# Altium PCB KIPGRDMCU.PcbDoc (part 1 of 2)
Units mm, origin at the board's own origin, x right, y up, seen from the top; angles counter-clockwise.
Board outline 110 x 75 mm, 4 copper layers (Top Layer, Layer 2, Layer 3, Bottom Layer), stack 1.513 mm thick; 117 components, 77 nets, 394 pads, 190 vias.
Unrouted connection lines stored in the file: 1.
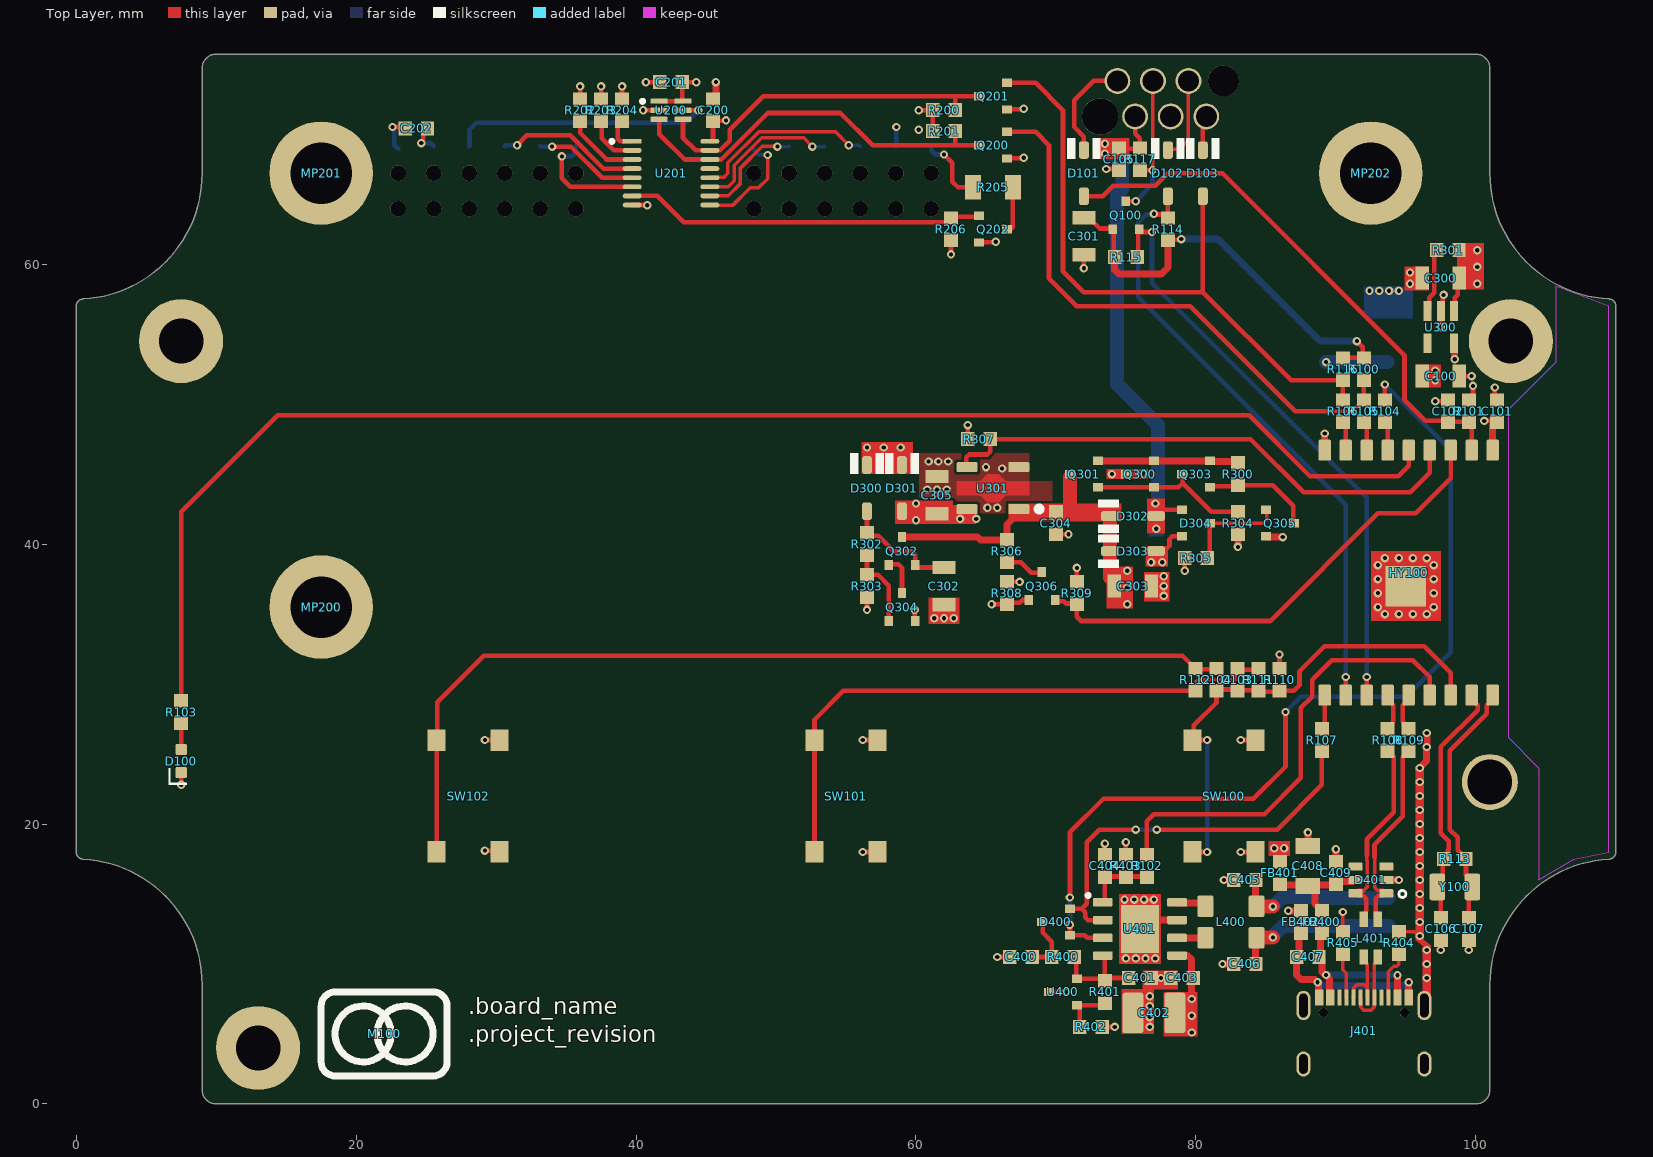
[diagram p0: Top Layer view]
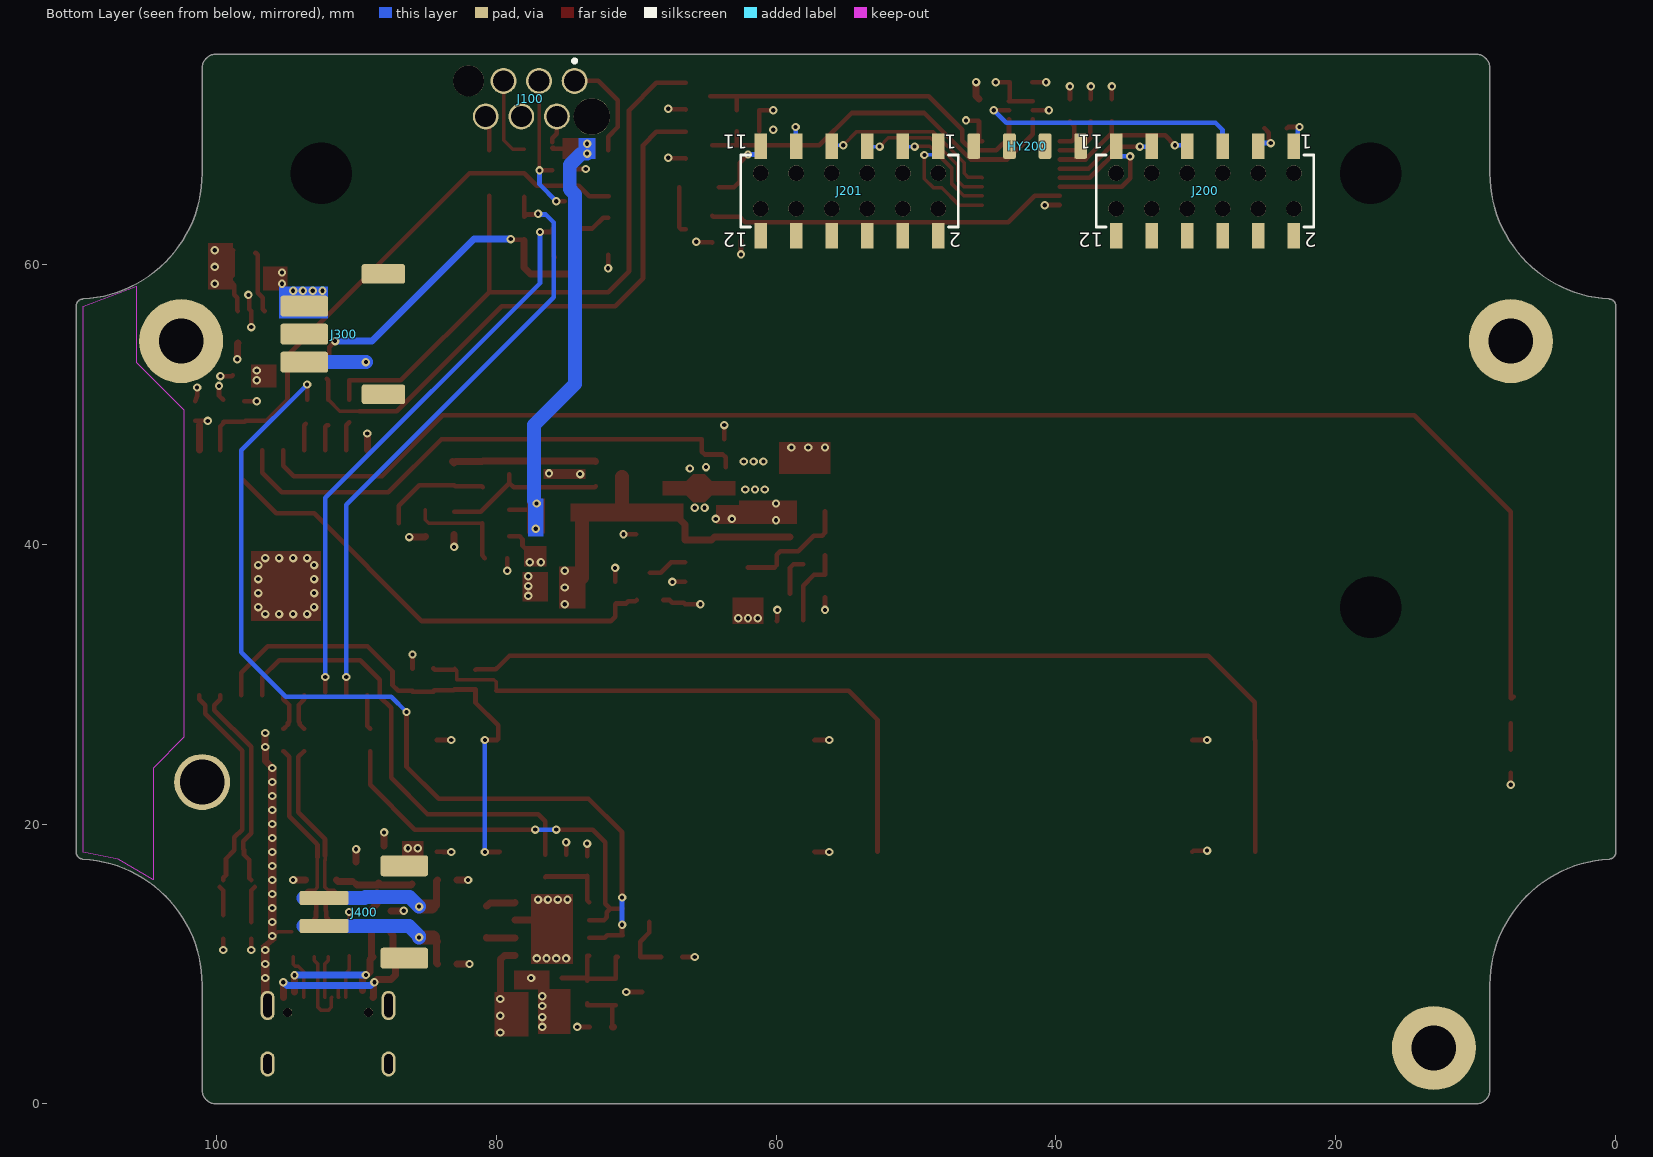
[diagram p1: Bottom Layer view, seen from below]
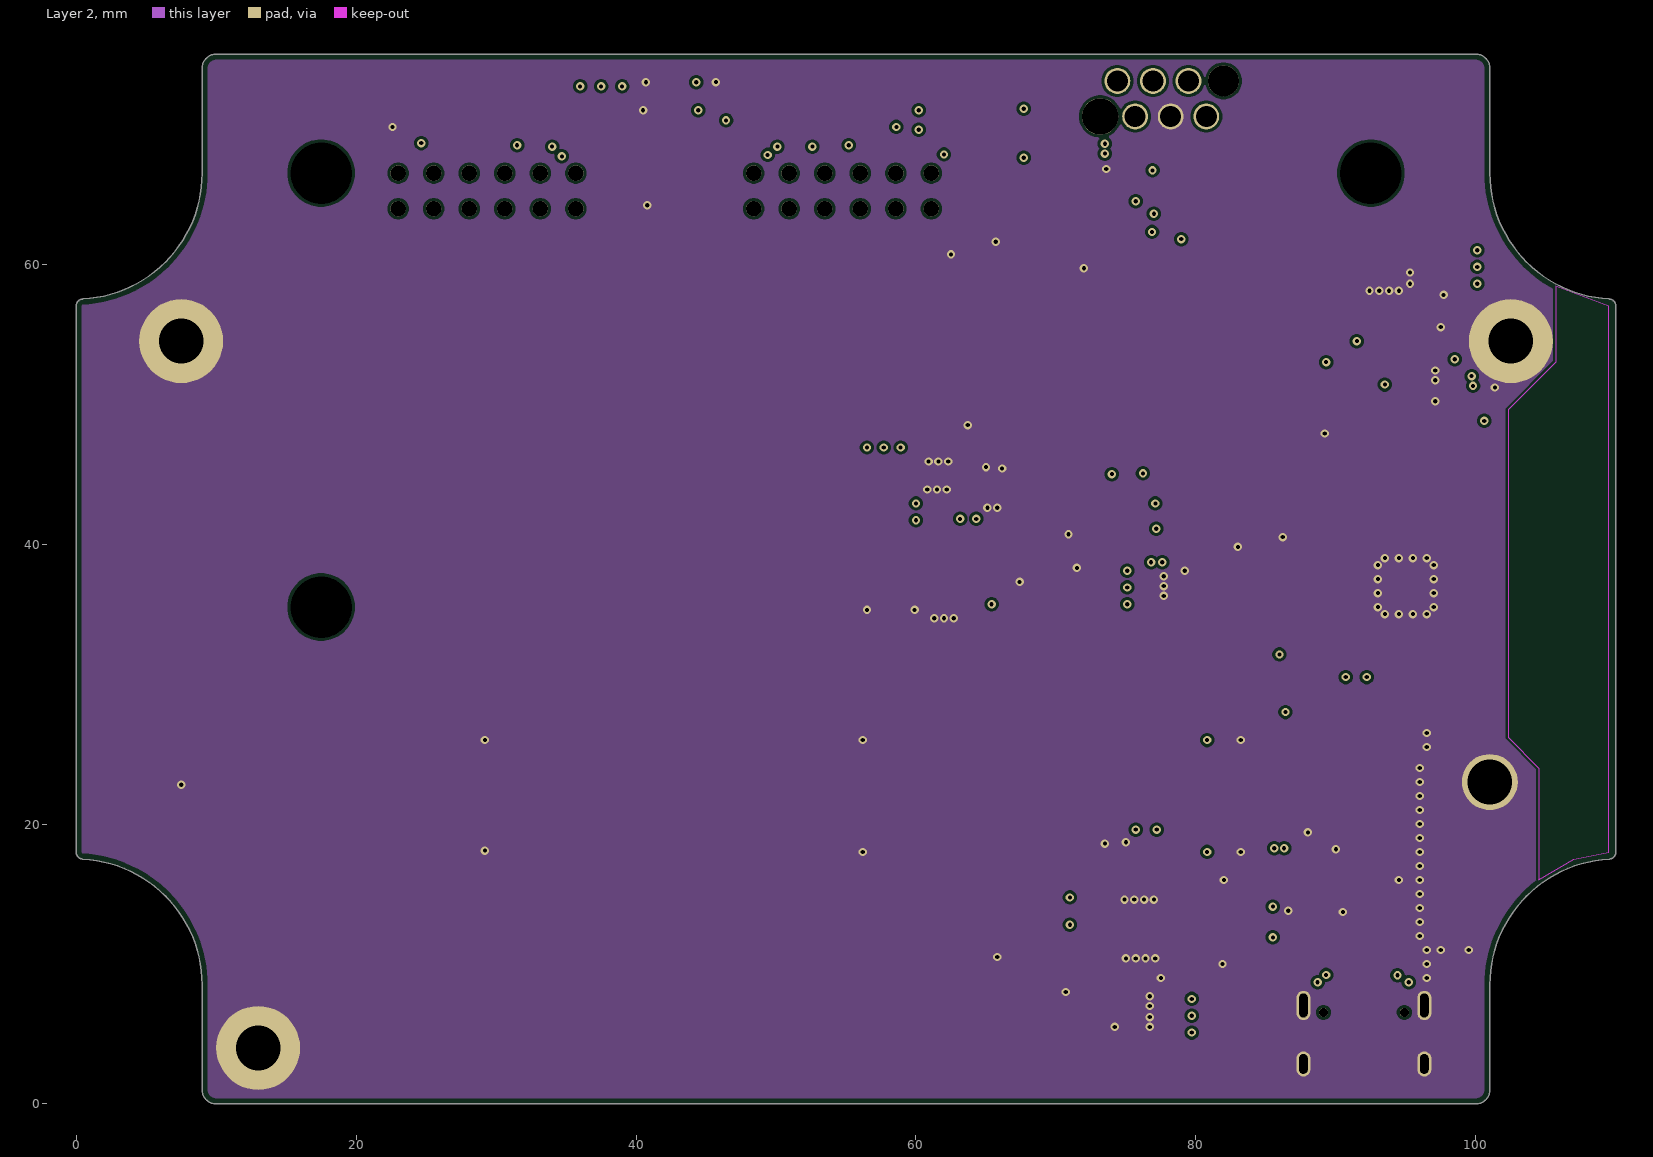
[diagram p2: Layer 2]
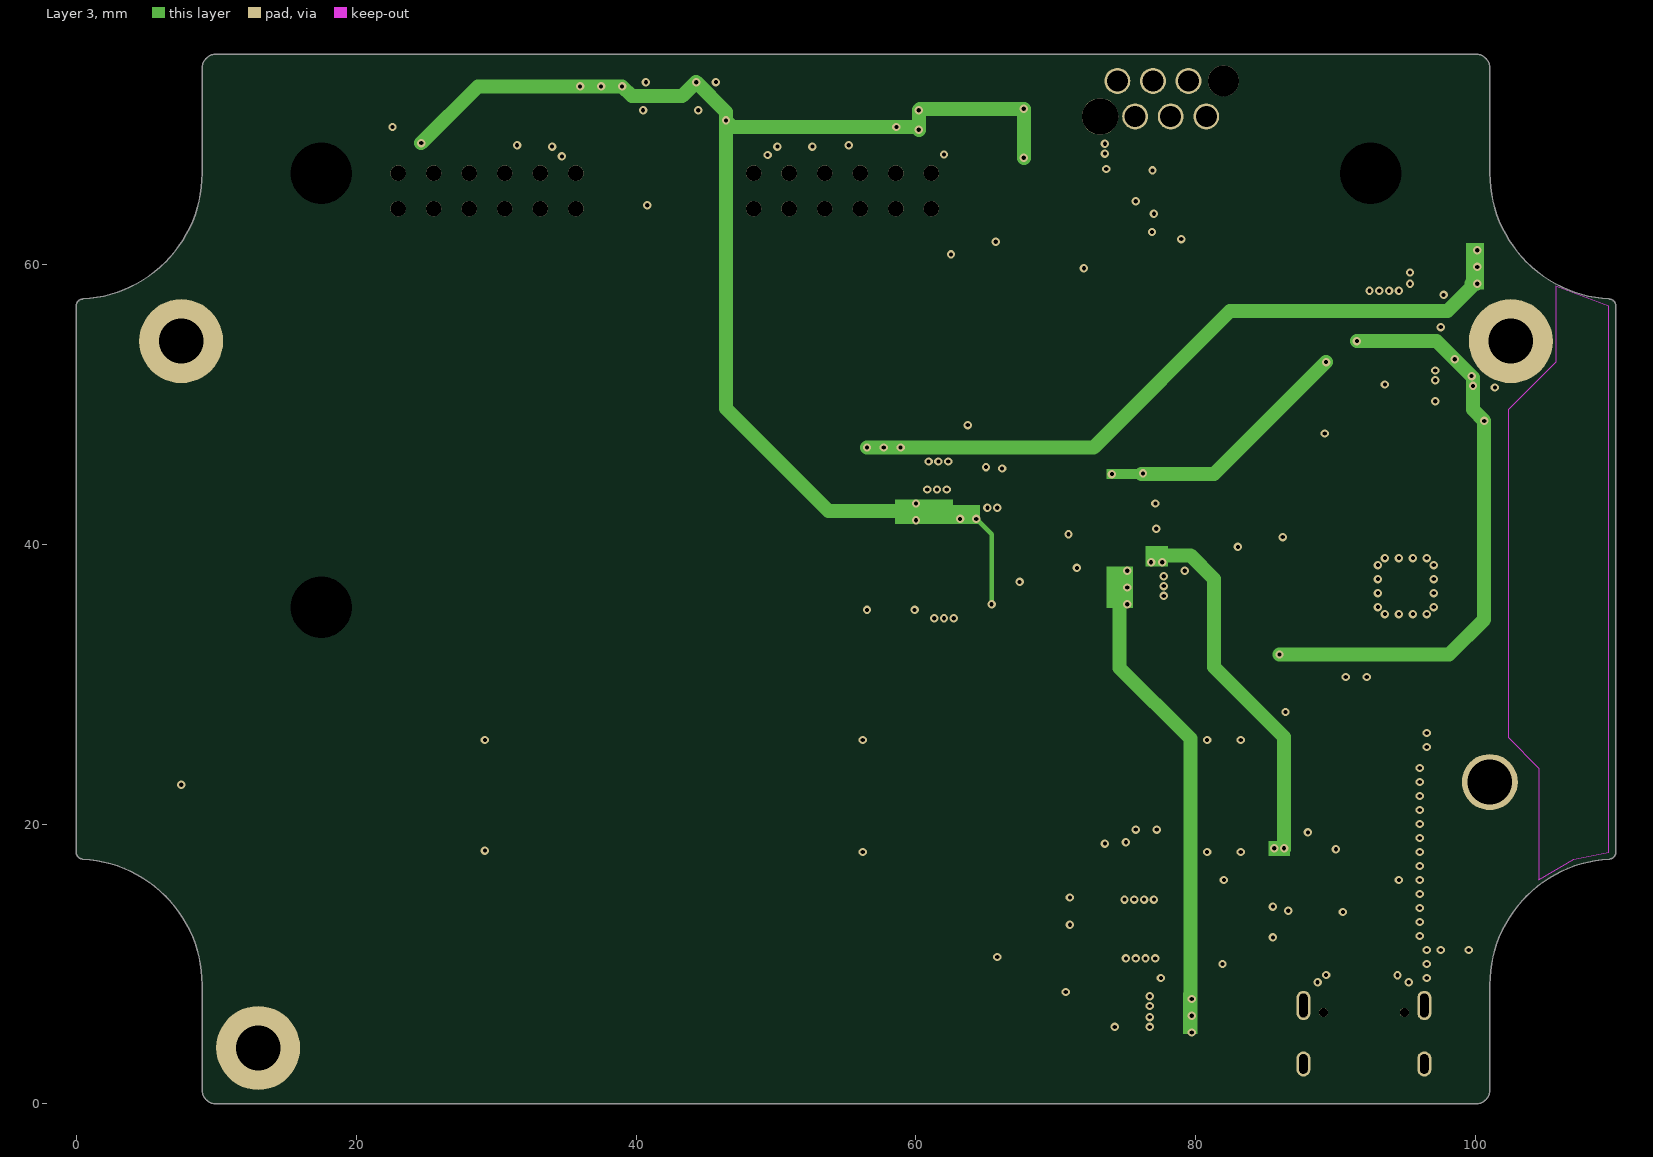
[diagram p3: Layer 3]
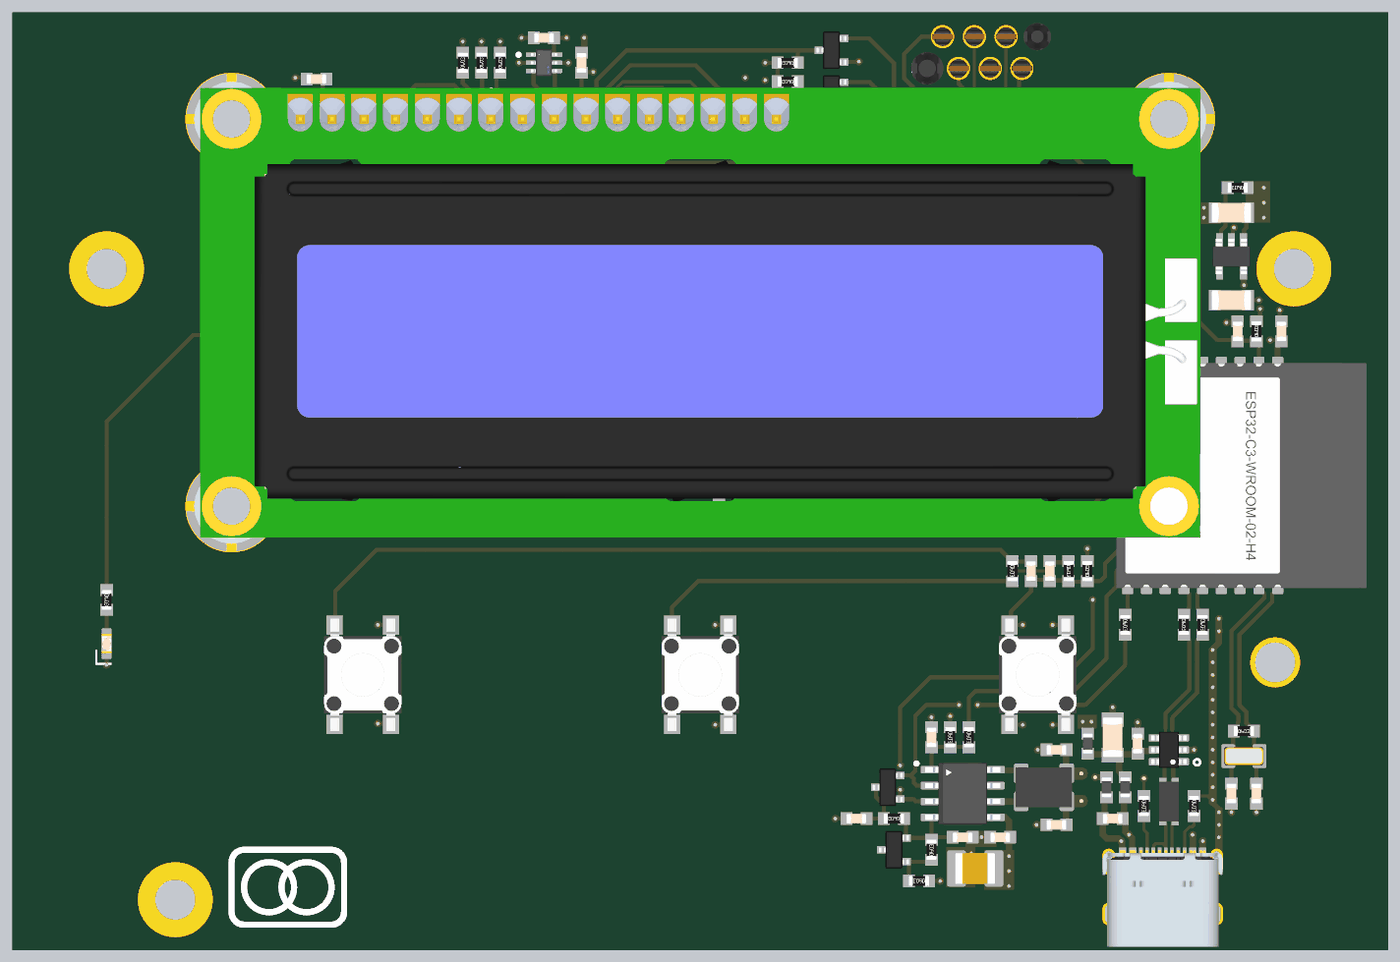
[diagram p5: 3D render of the assembled board from above, using the file's embedded part models]
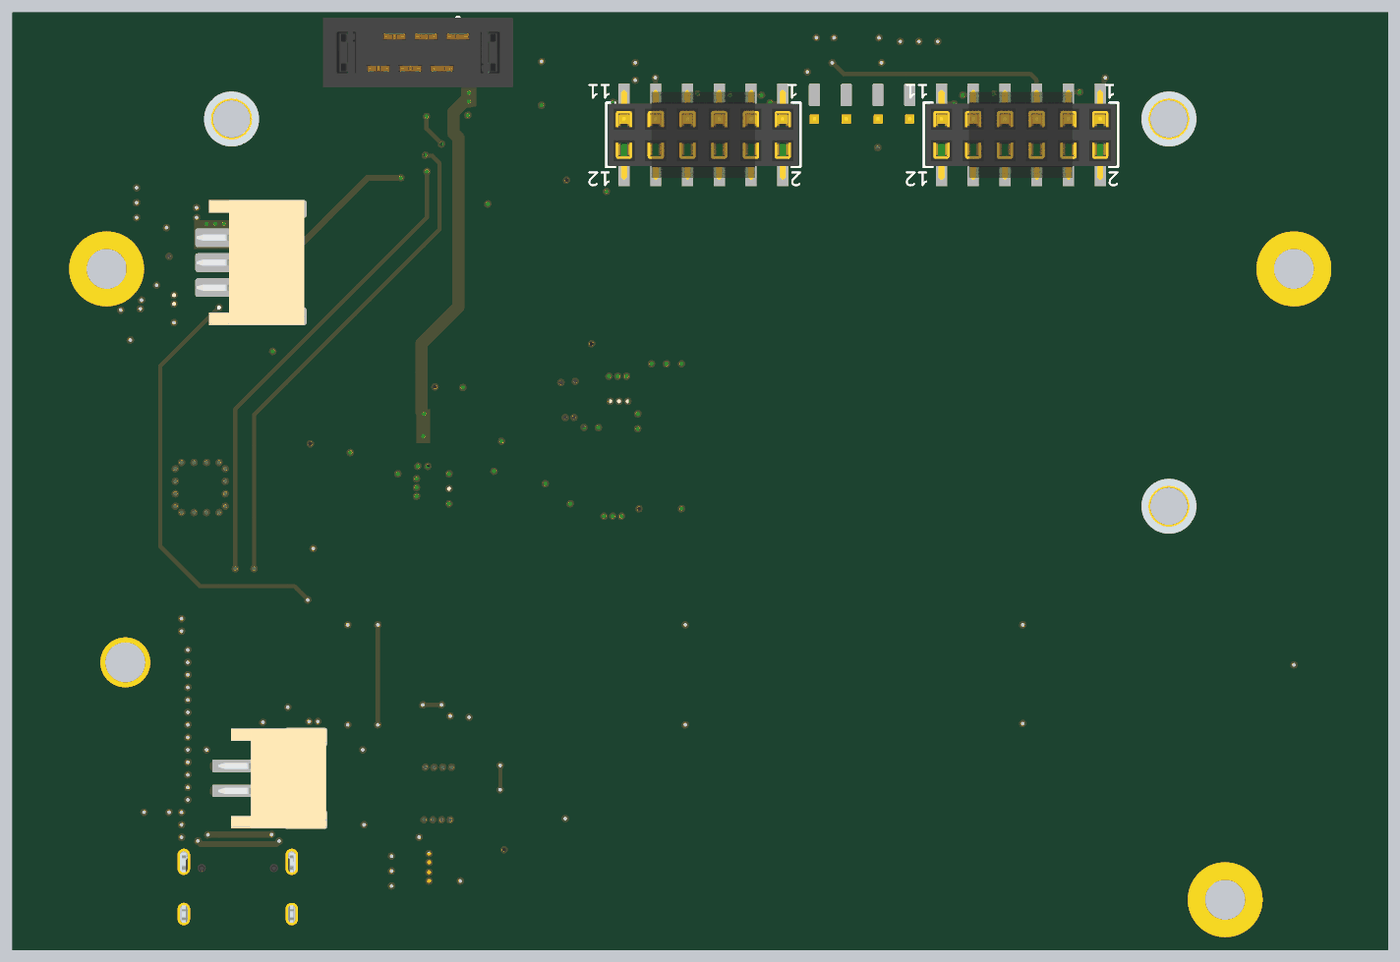
[diagram p6: 3D render of the assembled board from below, using the file's embedded part models]

## Layer stack, top to bottom
Top Solder: solder mask 0.0254, SM-001, Dk 4
Top Layer: signal copper 0.035
Dielectric 2: prepreg 0.2083, PP-022, Dk 4.5
Layer 2: signal copper 0.018
Dielectric 3: core 0.9906, Core-042, Dk 4.6
Layer 3: signal copper 0.018
Dielectric 5: prepreg 0.2083, PP-022, Dk 4.5
Bottom Layer: signal copper 0.035
Bottom Solder: solder mask 0.0254, SM-001, Dk 4

## Board outline
9,8.5 ccw(c0,8.5) 0.479,17.487 0.479,17.49 cw(c0.5,17.99) 0,18.011 0,56.989 cw(c0.5,57.01) 0.479,57.51 0.479,57.513 ccw(c0,66.5) 9,66.5 9,74 cw(c10,74) 10,75 100,75 cw(c100,74) 101,74 101,66.5 ccw(c110,66.5) 109.521,57.513 109.521,57.51 cw(c109.5,57.01) 110,56.989 110,18.011 cw(c109.5,17.99) 109.521,17.49 109.521,17.487 ccw(c110,8.5) 101,8.5 101,1 cw(c100,1) 100,0 10,0 cw(c10,1) 9,1

## Design rules (kind name [scope] priority, off if disabled: settings)
BoardOutlineClearance [IsElectrical or IsPoly] p1: gap=0.4 ignorepadtopadclearanceinfootprint=FALSE
Clearance Clearance_NTPH_to_Track [IsTrack vs IsPad and IsThruPin and not PadIsPlated] p1: gap=0.254 ignorepadtopadclearanceinfootprint=FALSE
Clearance Clearance_TH_Pad_to_TH_Pad [IsPad and IsThruPin vs IsPad and IsThruPin] p2: gap=0.5 ignorepadtopadclearanceinfootprint=TRUE
Clearance Clearance_SMT_Pad_to_SMT_Pad [IsPad and IsSMTPin vs IsPad and IsSMTPin] p3: gap=0.127 ignorepadtopadclearanceinfootprint=TRUE
Clearance [All] p4: gap=0.2 ignorepadtopadclearanceinfootprint=TRUE except(0.127: SMDPad-SMDPad)
DiffPairsRouting USB_ext_layer_JLCPCB_4layer_7628 [InDifferentialPairClass('All Differential Pairs')] p1: maxlimit=0.35 minlimit=0.29 mostfreqgap=0.31 toplayer_maxgap=0.33 toplayer_minwidth=0.25 toplayer_maxwidth=0.33 toplayer_prefwidth=0.33 midlayer1_minwidth=0.25 midlayer1_maxwidth=0.33 midlayer1_prefwidth=0.33 midlayer2_minwidth=0.25 midlayer2_maxwidth=0.33 midlayer2_prefwidth=0.33 bottomlayer_maxgap=0.33 bottomlayer_minwidth=0.25 bottomlayer_maxwidth=0.33 bottomlayer_prefwidth=0.33 maxuncoupledlength=12.7
HoleSize NPTH_HoleSize [IsPad And not PadIsPlated] p1: absolutevalues=TRUE maxlimit=4.4 minlimit=0.2 maxpercent=80.000 minpercent=20.000
HoleSize Pad_HoleSize [IsPad] p2: absolutevalues=TRUE maxlimit=3.2 minlimit=0.5 maxpercent=80.000 minpercent=20.000
HoleSize Via_HoleSize [IsVia] p3: absolutevalues=TRUE maxlimit=6.3 minlimit=0.2 maxpercent=80.000 minpercent=20.000
HoleToHoleClearance [All] p1: gap=0.254 allowstackedmicrovias=FALSE
MatchedLengths USB [InDifferentialPair('USB')] p1: tolerance=0.15 checknetsindiffpair=TRUE checkdiffpairvsdiffpair=FALSE checkxsignals=FALSE checkothers=FALSE
MinimumAnnularRing [All] p1: minimumring=0.13
MinimumSolderMaskSliver [All vs (ispad and PadIsPlated)] p1: minsoldermaskwidth=0.1
PolygonConnect [All] p1: connectstyle=Direct reliefconductorwidth=0.5 reliefentries=4 polygonreliefangle="90 Angle" airgapwidth=0.254
RoutingVias [All] p1: holewidth=0.3 width=0.6 viastyle="Through Hole" minholewidth=0.2 minwidth=0.4 maxholewidth=0.711 maxwidth=1.27
SolderMaskExpansion SolderMaskExpansion_Via [IsVia] p1: expansion=0.102 istentingtop=TRUE
SolderMaskExpansion SolderMaskExpansion_notVia [not IsVia] p2: expansion=0.05 istentingtop=FALSE
Width [All] p1: maxlimit=3 minlimit=0.15 preferedwidth=0.33
26 further rules are at their usual default settings.

## Classes and differential pairs
component class U_Power: C300 C301 C302 C303 C304 C305 D300 D301 D302 D303 D304 J300 Q300 Q301 Q302 Q303 Q304 Q305 Q306 R300 R301 R302 R303 R304 R305 R306 R307 R308 R309 U300 U301
component class U_Motor: C400 C401 C402 C403 C404 C405 C406 C407 C408 C409 D400 D401 FB400 FB401 FB402 J400 J401 L400 L401 R400 R401 R402 R403 R404 R405 U400 U401
component class U_MCU: C100 C101 C102 C103 C104 C105 C106 C107 D100 D101 D102 D103 HY100 J100 M100 Q100 R100 R101 R102 R103 R104 R105 R106 R107 R108 R109 R110 R111 R112 R113 R114 R115 R116 R117 SW100 SW101 SW102 Y100
component class U_LCD: C200 C201 C202 HY200 J200 J201 MP200 MP201 MP202 Q200 Q201 Q202 R200 R201 R202 R203 R204 R205 R206 U200 U201
differential pair XTAL.X: +XTAL.X_P -XTAL.X_N
differential pair USB: +USB_P -USB_N
differential pair USB.D: +USB.D_P -USB.D_N
differential pair USBDATA.D: +USBDATA.D_P -USBDATA.D_N
